# Altium PCB mV_meter.PcbDoc (part 1 of 3)
Units mil, origin at the board's own origin, x right, y up, seen from the top; angles counter-clockwise.
Board outline 5905.51 x 3937.01 mil, 2 copper layers (TOP, BOT), stack 61.811 mil thick; 225 components, 157 nets, 790 pads, 333 vias.
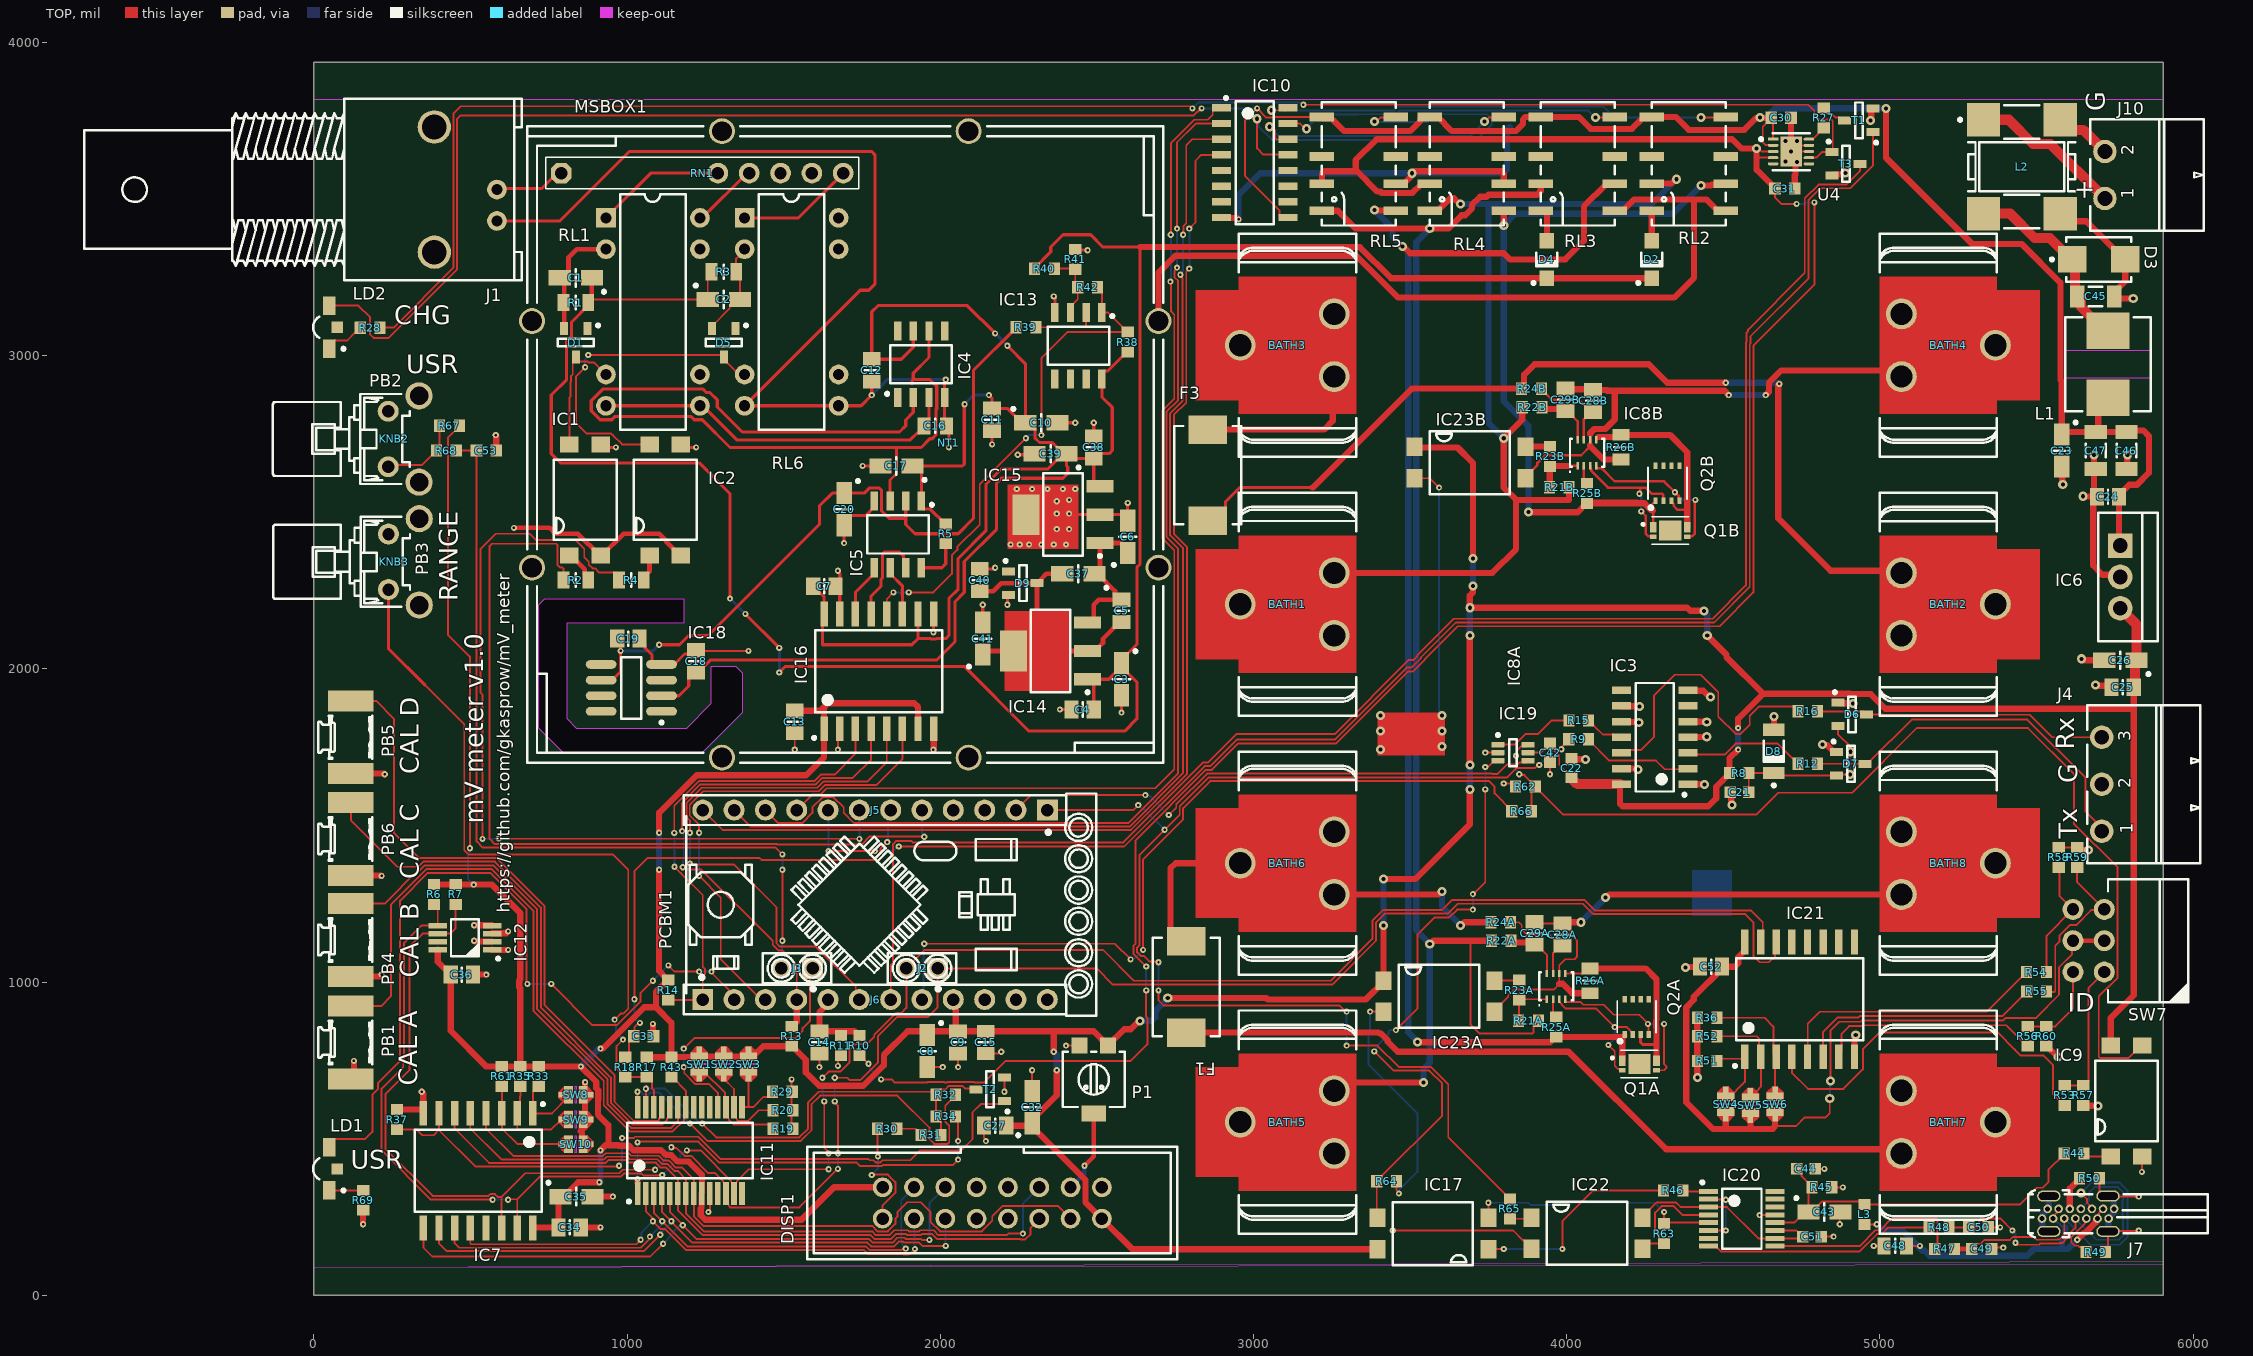
[diagram p0: TOP view]
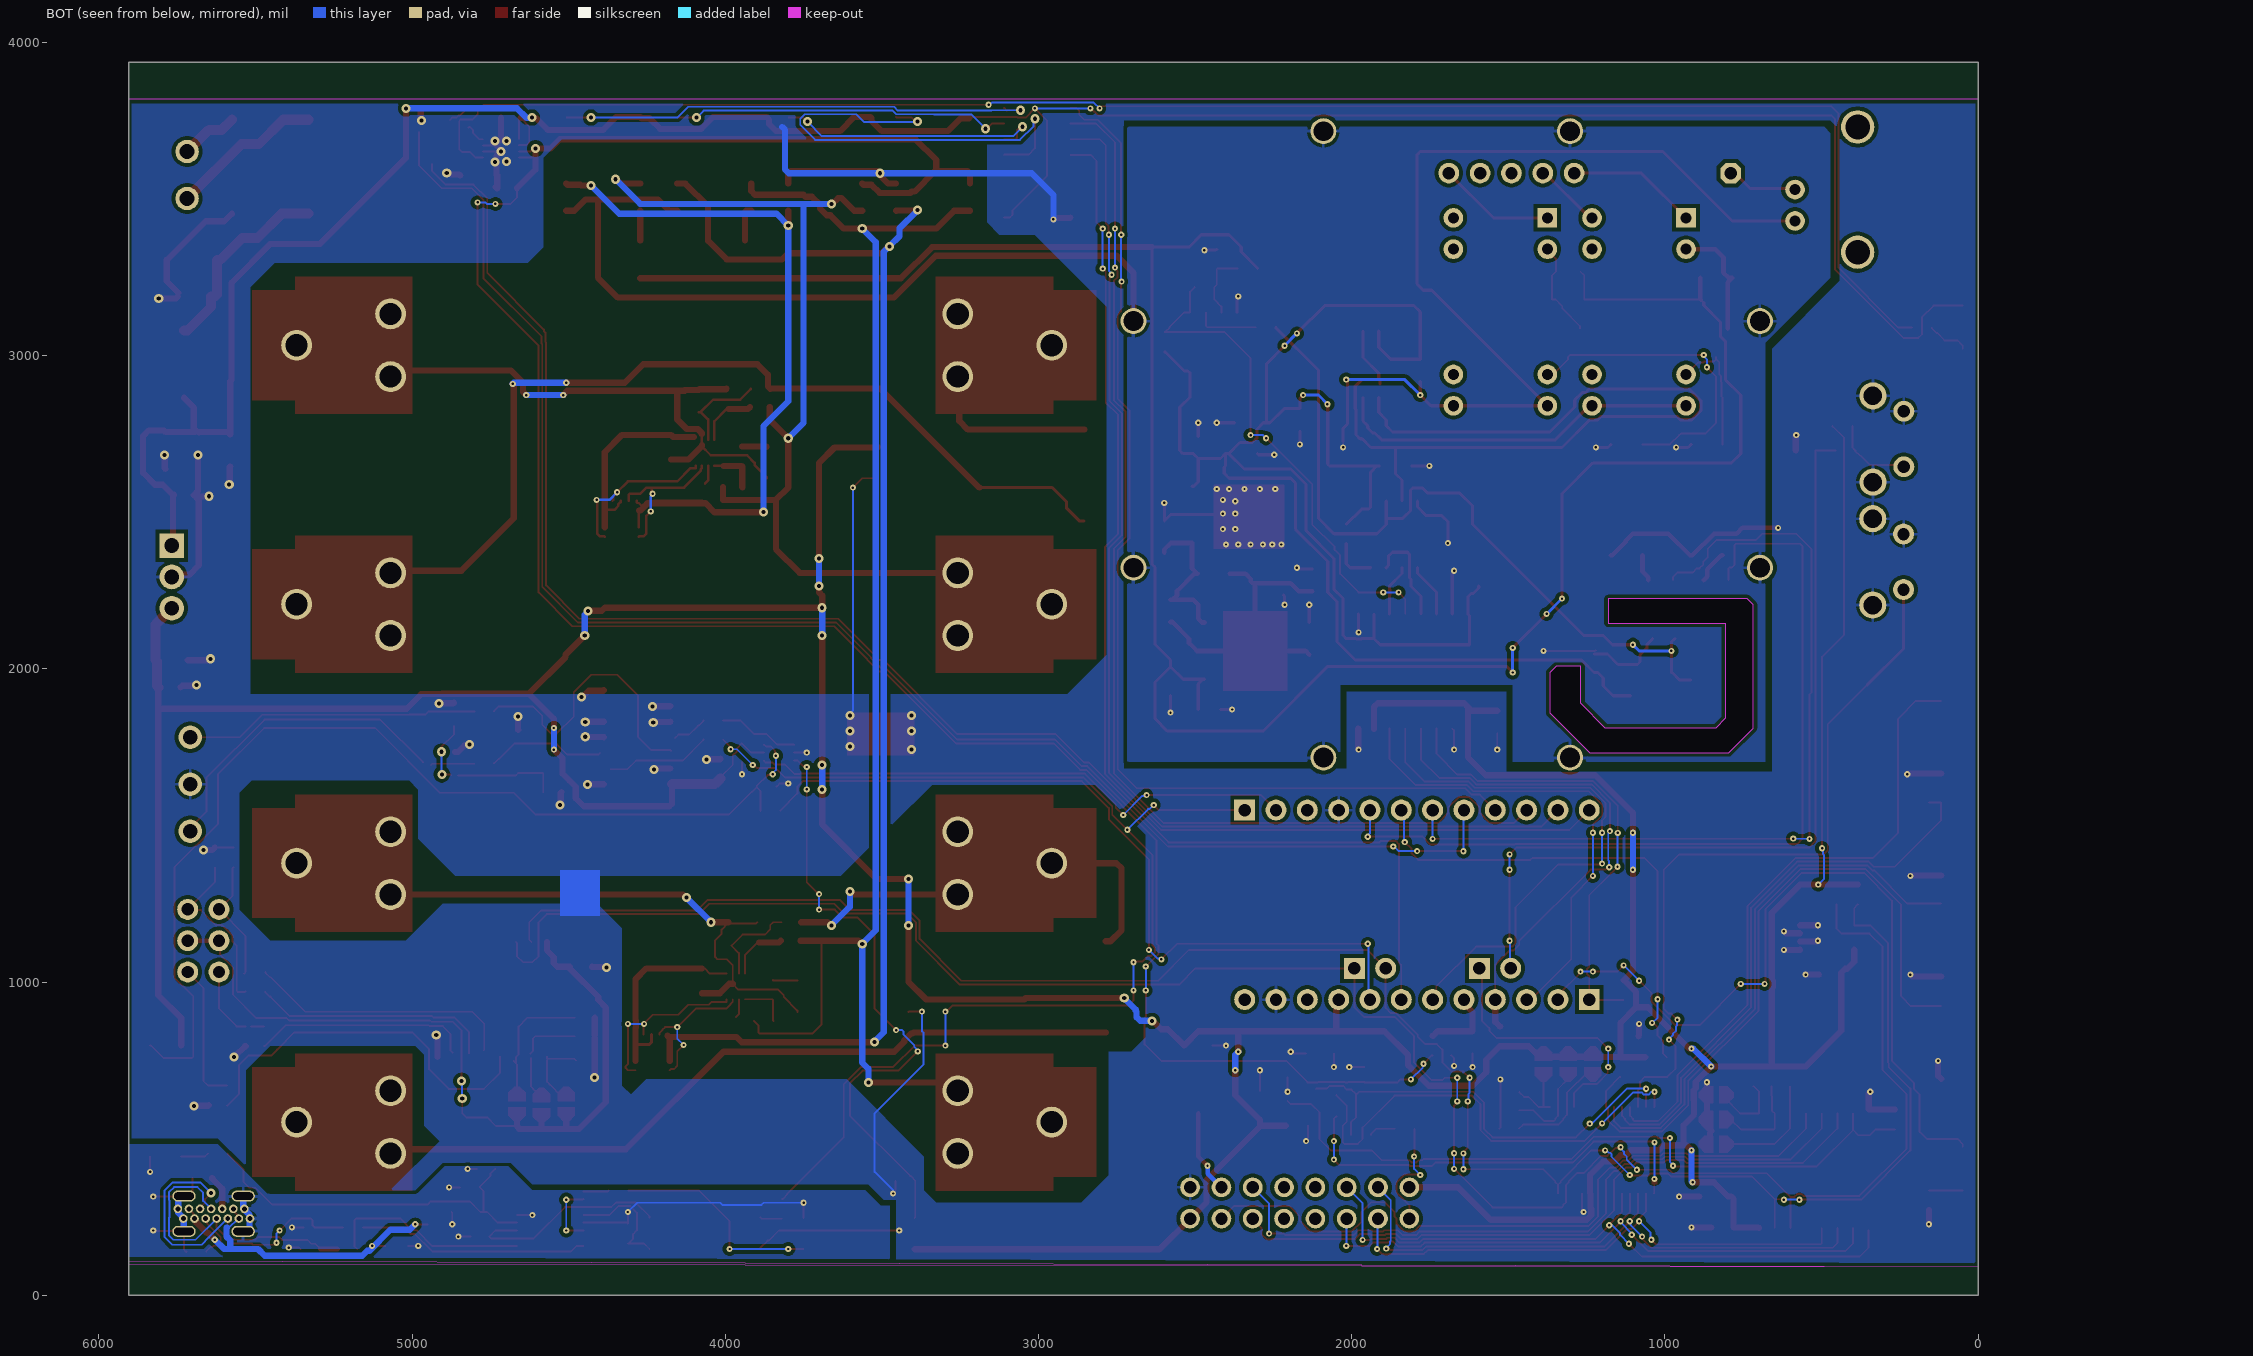
[diagram p1: BOT view, seen from below]
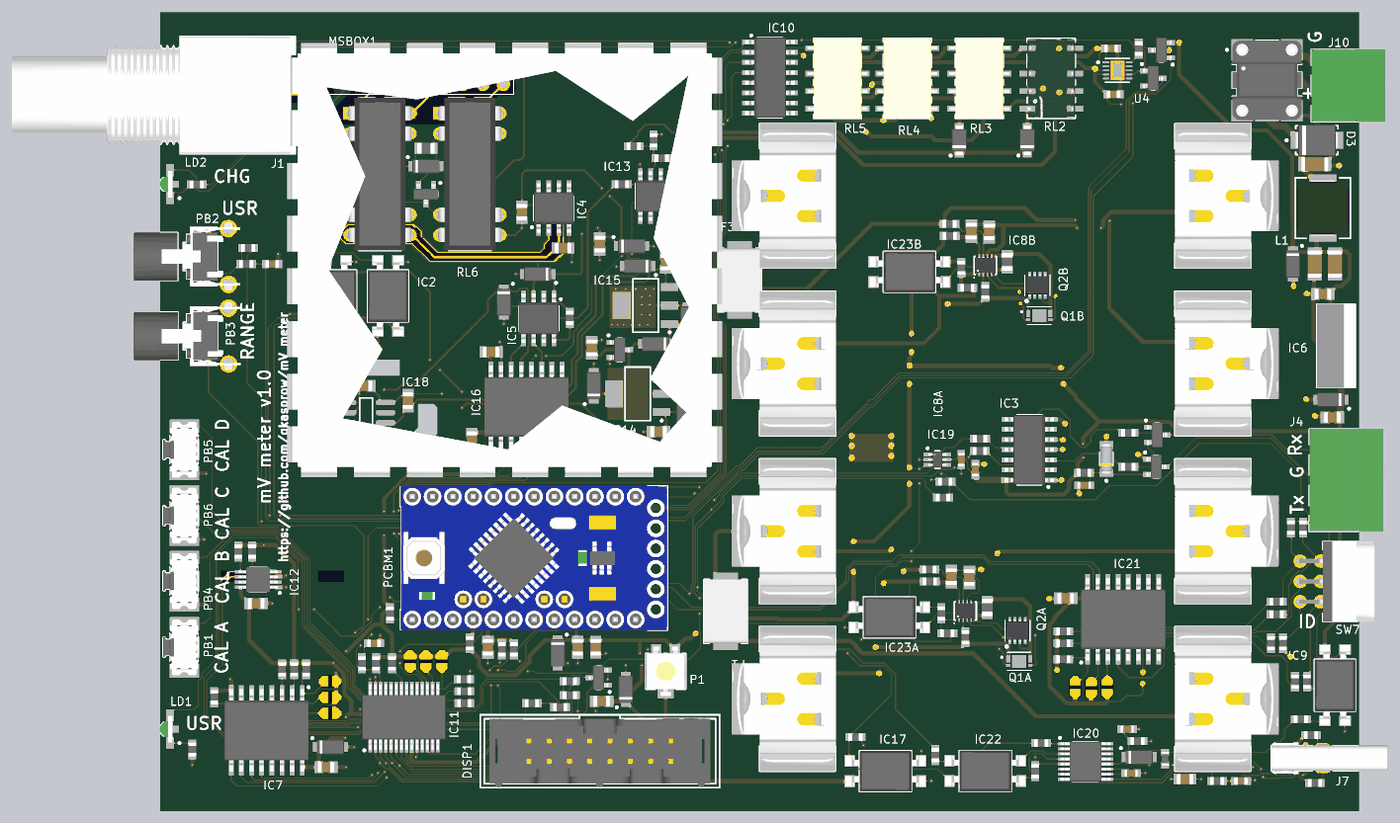
[diagram p4: 3D render of the assembled board from above, using the file's embedded part models]

## Layer stack, top to bottom
TopSolder: solder mask 0.3937, Solder Resist, Dk 3.5
TOP: signal copper 1.378
Dielectric2: core 59.0551, Core-042, Dk 4.6
BOT: signal copper 1.378
BottomSolder: solder mask 0.3937, Solder Resist, Dk 3.5

## Board outline
0,0 0,2263.78 0,3937.01 5905.51,3937.01 5905.51,0
cut-out: 737.2,2224.41 1181.1,2224.41 1181.1,2145.67 807.09,2145.67 807.09,1841.54 837.6,1811.02 1189.96,1811.02 1268.7,1889.76 1268.7,2007.87 1347.44,2007.87 1367.13,1988.19 1367.13,1859.25 1240.16,1732.28 796.26,1732.28 717.52,1811.02 717.52,2204.72

## Design rules (kind name [scope] priority, off if disabled: settings)
AcuteAngle [All] p1: minimum=6.00000000000000E+0001 checktracksonly=FALSE
Clearance Clearance_poly [(InPolygon)] p1: gap=11.81 ignorepadtopadclearanceinfootprint=FALSE
Clearance [All] p2: gap=5 ignorepadtopadclearanceinfootprint=FALSE
DiffPairsRouting [All] p1: maxlimit=20 minlimit=15 mostfreqgap=17 toplayer_minwidth=15 toplayer_maxwidth=15 toplayer_prefwidth=15 bottomlayer_minwidth=15 bottomlayer_maxwidth=15 bottomlayer_prefwidth=15 maxuncoupledlength=500
HoleSize [All] p1: absolutevalues=TRUE maxlimit=200 minlimit=1 maxpercent=80.000 minpercent=20.000
MinimumSolderMaskSliver [All] p1: minsoldermaskwidth=1.97
MinimumSolderMaskSliver SilkscreenOverComponentPads [All] p2: minsoldermaskwidth=1.97
PlaneClearance [All] p1: clearance=8
PlaneConnect PlaneConnect_pad [(InPadClass('All Pads'))] p1: planeconnectstyle=Relief reliefexpansion=20 reliefentries=4 reliefconductorwidth=10 reliefairgap=10
PlaneConnect [All] p2: planeconnectstyle=Direct reliefexpansion=20 reliefentries=4 reliefconductorwidth=10 reliefairgap=10
PolygonConnect PolygonConnect_pad [(InPadClass('All Pads'))] p1: connectstyle=Relief reliefconductorwidth=10 reliefentries=4 polygonreliefangle="90 Angle" airgapwidth=10
PolygonConnect [All] p2: connectstyle=Direct reliefconductorwidth=10 reliefentries=4 polygonreliefangle="90 Angle" airgapwidth=10
RoomDefinition U_MVM_BMS1 [InComponentClass('U_MVM_BMS1')] p1: confinementstyle=ConfineIn formatcopy=TRUE lockcomponents=FALSE outline 4438.98,1289.37 3267.72,1289.37 3267.72,639.76 4438.98,639.76
RoomDefinition U_MVM_BMS2 [InComponentClass('U_MVM_BMS2')] p2: confinementstyle=ConfineIn formatcopy=TRUE lockcomponents=FALSE outline 4537.4,2992.91 3366.14,2992.91 3366.14,2343.31 4537.4,2343.31
RoutingVias [All] p1: holewidth=7.87 width=19.68 viastyle="Through Hole" minholewidth=7.87 minwidth=19.68 maxholewidth=19.68 maxwidth=39.37
SilkToSilkClearance [All] p1: silktosilkclearance=1.97
SilkToSolderMaskClearance [IsPad] p1: minsilkscreentomaskgap=1.97 clearancetoexposedcopper=TRUE
SolderMaskExpansion [All] p1: expansion=1.97 istentingtop=FALSE
SupplyNets "Schematic Supply Nets_7" [InNet('AGND')] p1: voltage=0.000
SupplyNets "Schematic Supply Nets_6" [InNet('GND')] p2: voltage=0.000
SupplyNets "Schematic Supply Nets_5" [InNet('P3V3')] p3: voltage=0.000
SupplyNets "Schematic Supply Nets_4" [InNet('P5V0')] p4: voltage=0.000
SupplyNets "Schematic Supply Nets_3" [InNet('GNDi')] p5: voltage=0.000
SupplyNets "Schematic Supply Nets_2" [InNet('P10V0')] p6: voltage=0.000
SupplyNets "Schematic Supply Nets_1" [InNet('P5V0A')] p7: voltage=0.000
SupplyNets "Schematic Supply Nets" [InNet('GNDU')] p8: voltage=0.000
ViasUnderSMD ViasUnderSMD_allow [InComponent('IC18') or InComponent('IC10') or InComponent('IC13') or InComponent('IC14') or InComponent('IC15')] p1: allowed=TRUE
ViasUnderSMD [All] p2: allowed=FALSE
Width Width_1 [(InDifferentialPairClass('All Differential Pairs'))] p1: maxlimit=8 minlimit=8 preferedwidth=8
Width [All] p2: maxlimit=100 minlimit=5 preferedwidth=10
23 further rules are at their usual default settings.

## Classes and differential pairs
channel class MVM_BMS: U_MVM_BMS1 U_MVM_BMS2
component class U_MVM_PSU: BATH1 BATH2 BATH3 BATH4 BATH5 BATH6 BATH7 BATH8 C23 C24 C25 C26 C30 C31 C45 C46 C47 D2 D3 D4 F1 F3 IC6 IC10 J10 L1 L2 LD2 R27 R28 RL2 RL3 RL4 RL5 T1 T3 U4
component class U_MVM_BMS2: C28B C29B IC8B IC23B Q1B Q2B R21B R22B R23B R24B R25B R26B
component class U_MVM_BMS1: C28A C29A IC8A IC23A Q1A Q2A R21A R22A R23A R24A R25A R26A
component class U_MVM_AFE: C1 C2 C3 C4 C5 C6 C7 C10 C11 C12 C13 C16 C17 C18 C19 C20 C37 C38 C39 C40 C41 D1 D5 D9 IC1 IC2 IC4 IC5 IC13 IC14 IC15 IC16 IC18 J1 MSBOX1 NT1 R1 R2 R3 R4 R5 R38 R39 R40 R41 R42 RL1 RL6 RN1
component class U_DISP_KEYB: C27 C32 C33 C34 C35 C36 C52 C53 DISP1 IC7 IC11 IC12 IC21 KNB2 KNB3 P1 PB1 PB2 PB3 PB4 PB5 PB6 R17 R18 R19 R20 R29 R30 R31 R32 R33 R34 R35 R36 R37 R43 R51 R52 R53 R54 R55 R56 R57 R58 R59 R60 R61 R67 R68 SW1 SW2 SW3 SW4 SW5 SW6 SW7 SW8 SW9 SW10 T2
component class mV_meter: C8 C9 C14 C15 C21 C22 C42 C43 C44 C48 C49 C50 C51 D6 D7 D8 IC3 IC9 IC17 IC19 IC20 IC22 J2 J3 J4 J5 J6 J7 L3 LD1 PCBM1 R6 R7 R8 R9 R10 R11 R12 R13 R14 R15 R16 R44 R45 R46 R47 R48 R49 R50 R62 R63 R64 R65 R66 R69

## Components (designator, comment, footprint, x,y, rotation, side; value= is the part's Value field where it differs from the comment)
BATH1 "Value" BATH_KEYSTONE_54 3257.87,2206.3 r0 top
BATH2 "Value" BATH_KEYSTONE_54 5068.9,2206.3 r180 top
BATH3 "Value" BATH_KEYSTONE_54 3257.87,3033.07 r0 top
BATH4 "Value" BATH_KEYSTONE_54 5068.9,3033.07 r180 top
BATH5 "Value" BATH_KEYSTONE_54 3257.87,552.76 r0 top
BATH6 "Value" BATH_KEYSTONE_54 3257.87,1379.53 r0 top
BATH7 "Value" BATH_KEYSTONE_54 5068.9,552.76 r180 top locked
BATH8 "Value" BATH_KEYSTONE_54 5068.9,1379.53 r180 top locked
C1 "10uF" CAPMP3216X180N 836.61,3248.03 r180 top
C2 "10uF" CAPMP3216X180N 1309.06,3179.13 r0 top
C3 "10uF" CAPMP3216X180N 2578.74,1966.54 r270 top
C4 "100nF" CAPC2012X88N 2454.72,1870.08 r0 top
C5 "100nF" CAPC2012X88N 2578.74,2185.04 r90 top
C6 "10uF" CAPMP3216X180N 2598.43,2421.26 r90 top
C7 "100nF" CAPC2012X88N 1629.92,2263.78 r180 top
C8 "4.7uF" CAPMP3216X180N 1958.66,779.53 r270 top
C9 "100nF" CAPC2012X88N 2057.09,807.09 r90 top
C10 "10uF" CAPMP3216X180N 2322.83,2785.43 r0 top
C11 "100nF" CAPC2012X88N 2165.35,2795.28 r90 top
C12 "100nF" CAPC2012X88N 1781.5,2952.76 r90 top
C13 "100nF" CAPC2012X88N 1535.43,1830.71 r90 top
C14 "100nF" CAPC2012X88N 1614.17,807.09 r90 top
C15 "10nF" CAPC2012X135N 2145.67,807.09 r90 top
C16 "220pF" CAPC2012X135N 1984.25,2775.59 r180 top
C17 "4.7uF" CAPMP3216X180N 1860.24,2647.64 r180 top
C18 "100nF" CAPC2012X88N 1220.47,2023.62 r270 top
C19 "100nF" CAPC2012X88N 1003.94,2096.46 r180 top
C20 "2.2uF" CAPMP3216X180N 1692.91,2509.84 r270 top
C21 "2.2uF" CAPC1608X90N 4552.27,1606.16 r0 top
C22 "100nF" CAPC1608X90N 4015.75,1683.07 r270 top
C23 "10uF" CAPMP3216X180N 5580.71,2696.85 r270 top
C24 "100nF" CAPC2012X88N 5728.35,2549.21 r0 top
C25 "100nF" CAPC2012X88N 5775,1941 r0 top
C26 "10uF" CAPMP3216X180N 5767.72,2027.56 r180 top
C27 "100nF" CAPC2012X88N 2175.2,541.34 r0 top
C28A "100nF" CAPC2012X88N 3986.22,1151.57 r270 top (schematic designator C28)
C28B "100nF" CAPC2012X88N 4084.65,2855.12 r270 top (schematic designator C28)
C29A "100nF" CAPC2012X88N 3897.64,1155.51 r270 top (schematic designator C29)
C29B "100nF" CAPC2012X88N 3996.06,2859.06 r270 top (schematic designator C29)
C30 "1uF" CAPC1608X87N 4685.04,3759.84 r180 top
C31 "1uF" CAPC1608X87N 4696.85,3533.46 r180 top
C32 "10uF" CAPMP3216X180N 2293.31,600.39 r90 top
C33 "10nF" CAPC1608X87N 1053.15,826.77 r180 top
C34 "100nF" CAPC2012X88N 816.93,216.54 r180 top
C35 "10uF" CAPMP3216X180N 838.58,314.96 r0 top
C36 "100nF" CAPC2012X88N 472.44,1023.62 r180 top
C37 "10uF" CAPMP3216X180N 2440.94,2303.15 r180 top
C38 "100nF" CAPC2012X88N 2490.16,2706.69 r270 top
C39 "10uF" CAPMP3216X180N 2352.36,2687.01 r180 top
C40 "100nF" CAPC2012X88N 2125.98,2283.46 r270 top
C41 "10uF" CAPMP3216X180N 2135.83,2096.46 r90 top
C42 "100nF" CAPC1608X90N 3946.85,1732.28 r90 top
C43 "4.7uF" CAPMP3216X180N 4822.83,265.75 r0 top
C44 "100nF" CAPC1608X90N 4763.78,403.54 r180 top
C45 "22uF" CAPC3216X180N 5688.98,3188.98 r180 top
C46 "22uF" CAPC3216X180N 5787.4,2696.85 r90 top
C47 "22uF" CAPC3216X180N 5688.98,2696.85 r90 top
C48 "10nF" CAPC2012X135N 5049.21,157.48 r0 top
C49 "47pF" CAPC1608X87N 5324.8,147.64 r0 top
C50 "47pF" CAPC1608X87N 5314.96,216.54 r0 top
C51 "100nF" CAPC1608X90N 4783.46,187.01 r180 top
C52 "100nF" CAPC2012X88N 4461,1049 r0 top
C53 "10nF" CAPC1608X87N 551.18,2696.85 r180 top
D1 "BAV99" SOT95P240X110-3N 836.61,3041.34 r270 top
D2 "SS24FL" SODFL3617X108N 4271.65,3307.09 r90 top
D3 "SMBJ12A" DIOM5336X265N 5698.82,3307.09 r0 top
D4 "SS24FL" SODFL3617X108N 3937.01,3307.09 r90 top
D5 "BAV99" SOT95P240X110-3N 1309.06,3041.34 r270 top
D6 "BAV99" SOT95P240X110-3N 4911.42,1854.33 r0 top
D7 "BAV99" SOT95P240X110-3N 4907.48,1696.85 r0 top
D8 "BZV55-B3V3" DIOMELF3515N 4661.42,1736.22 r90 top
D9 "BAV99" SOT95P240X110-3N 2263.78,2273.62 r0 top
DISP1 "LCD_HD44780_LED" IDC_16_male 2166.14,294.49 r180 top
F1 "3A-6V" FUSR_BOURNS_MF-SM300 2785.43,984.25 r90 top
F3 "3A-6V" FUSR_BOURNS_MF-SM300 2854.33,2618.11 r270 top
IC1 "FOD817DSD" FAIRCHILD_FOD817DSD 866.14,2539.37 r90 top
IC2 "FOD817DSD" FAIRCHILD_FOD817DSD 1122.05,2539.37 r90 top
IC3 "SN74HC125D" SOIC127P600X175-14N 4281.5,1781.5 r180 top
IC4 "AD8628ARZ" SOIC127P600X175-8N 1938.98,2972.44 r90 top
IC5 "LTC2400IS8" SOIC127P600X175-8N 1864.76,2429.13 r270 top
IC6 "MC78M05CTG" TO-220-V 5767.72,2293.31 r270 top
IC7 "PCF8574DW" SOIC127P1030X265-16N 524.61,397.64 r270 top
IC8A "S-82A2BAA-I8T1U" SON50P200X48-8N 3966.54,986.02 r90 top (schematic designator IC8)
IC8B "S-82A2BAA-I8T1U" SON50P200X48-8N 4064.96,2689.57 r90 top (schematic designator IC8)
IC9 "FOD817DSD" FAIRCHILD_FOD817DSD 5787.4,620.08 r90 top
IC10 "ULN2003AD" SOIC127P600X175-16N 3003.94,3615.94 r0 top
IC11 "MCP23017-E/SS" SOP65P780X200-28N 1200.79,462.6 r90 top
IC12 "24LC64-I/MS" SOP65P490X110-8N 482.28,1141.73 r180 top
IC13 "LMV393M/NOPB" SOIC127P600X175-8N 2440.94,3031.5 r270 top
IC14 "MCP1703-5002E/DB" SOT-223-DB3_N 2352.36,2057.09 r180 top
IC15 "MCP1703-5002E/DB" SOT-223-DB3_N 2391.73,2492.13 r180 top
IC16 "ISO7242CDW" SOIC127P1030X265-16N 1804.13,1992.13 r90 top
IC17 "FOD817DSD" FAIRCHILD_FOD817DSD 3572.83,196.85 r180 top
IC18 "ADR4540BRZ" ADI-R-8_M 1013.78,1938.98 r180 top
IC19 "SN74AUP1G97DCKR" DCK0006A_M 3828.74,1732.28 r0 top
IC20 "FT230XS-R" SOP63P600X175-16N 4559.06,244.19 r0 top
IC21 "PCF8574DW" SOIC127P1030X265-16N 4744.09,944.88 r90 top
IC22 "FOD817DSD" FAIRCHILD_FOD817DSD 4064.96,197.64 r0 top
IC23A "FOD817DSD" FAIRCHILD_FOD817DSD 3592.52,954.72 r0 top (schematic designator IC23)
IC23B "FOD817DSD" FAIRCHILD_FOD817DSD 3690.94,2658.27 r0 top (schematic designator IC23)
J1 "BNC" TYCO_1-1337542-0 369,3530 r180 top
J2 "Socket 2" SAMTEC_SSW-102-02-G-S 1941.82,1043.72 r180 top
J3 "Socket 2" SAMTEC_SSW-102-02-G-S 1542.68,1043.72 r180 top
J4 "" PHOENIX_1803280 5708.66,1631.5 r90 top
J5 "Socket 12" SAMTEC_SSW-112-01-G-S 1791.82,1548.87 r180 top
J6 "Socket 12" SAMTEC_SSW-112-01-G-S 1791.82,943.87 r0 top
J7 "USB 2.0" KYCON_KUSBX-SL-CS1N14-B 5641.73,260.24 r90 top
J10 "" PHOENIX_1803277 5718.5,3576.57 r90 top
KNB2 "Knob" KNB_OMRON_B32-2010_H 256.32,2733.74 r270 top
KNB3 "Knob" KNB_OMRON_B32-2010_H 257.01,2341.52 r270 top
L1 "47uH" IND_WURTH_WE-LHMI_7050 5728.35,2972.44 r270 top
L2 "1mH" IND_BOURNS_SRF1006 5453,3603 r270 top
L3 "330R@100MHz" INDC1608X75N 4950.79,257.87 r270 top
LD1 "Green" LED_AVAGO_HSME-C110 49.21,403.54 r90 top
LD2 "Green" LED_AVAGO_HSME-C110 49.21,3090.55 r90 top
MSBOX1 "Metal Screening Box 8 Pins" MSBOX_PERANCEA_PFL6T 1696.85,2716.54 r0 top locked
NT1 "Net Tie" "Net Tie" 2027.56,2726.38 r270 top net-tie
P1 "10k" TRIM_BOURNS_3314G-1 2490.16,688.98 r180 top
PB1 "Push Button" PB_C&K_KSS221GLFS 117.91,807.29 r90 top
PB2 "Push Button" PB_OMRON_B3F-3150 276,2733.74 r270 top
PB3 "Push Button" PB_OMRON_B3F-3150 276.69,2341.52 r270 top
PB4 "Push Button" PB_C&K_KSS221GLFS 117.7,1134.27 r90 top
PB5 "Push Button" PB_C&K_KSS221GLFS 117.91,1781.7 r90 top
PB6 "Push Button" PB_C&K_KSS221GLFS 117.91,1456.9 r90 top
PCBM1 "ARDUINO PRO MINI" "PCBM_ARDUINO PRO MINI" 1791.82,1246.87 r180 top
Q1A "DMN2008LFU-7" TRANS_DMN2008LFU-7 4232.28,738.19 r0 top (schematic designator Q1)
Q1B "DMN2008LFU-7" TRANS_DMN2008LFU-7 4330.71,2441.73 r0 top (schematic designator Q1)
Q2A "ECH8697R-TL-W" SOT-28FL-8_2P9X2P3_ONS-M 4223.43,888.88 r90 top (schematic designator Q2)
Q2B "ECH8697R-TL-W" SOT-28FL-8_2P9X2P3_ONS-M 4321.85,2592.43 r90 top (schematic designator Q2)
R1 "470" RESC2012X60N 836.61,3169.29 r0 top
R2 "470" RESC2012X60N 836.61,2283.46 r0 top
R3 "470" RESC2012X60N 1309.06,3267.72 r180 top
R4 "470" RESC2012X60N 1013.78,2283.46 r0 top
R5 "0" RESC1608X55N 2017.72,2431.1 r90 top
R6 "10k" RESC1608X55N 383.86,1279.53 r90 top
R7 "10k" RESC1608X55N 452.76,1279.53 r90 top
R8 "470" RESC1608X55N 4551.18,1667.32 r180 top
R9 "470" RESC1608X55N 4038.27,1775.16 r0 top
R10 "20k" RESC1608X55N 1742.13,797.24 r270 top
R11 "10k" RESC1608X55N 1683.07,797.24 r90 top
R12 "330" RESC1608X55N 4769.68,1696.85 r0 top
R13 "10K" RESC1608X55N 1525.59,826.77 r270 top value=10k
R14 "10k" RESC1608X55N 1131.89,974.41 r90 top
R15 "470" RESC1608X55N 4038.76,1835.16 r180 top
R16 "330" RESC1608X55N 4769.68,1864.17 r0 top
R17 "1k" RESC1608X55N 1062.99,728.35 r90 top
R18 "10k" RESC1608X55N 994.09,728.35 r270 top
R19 "10k" RESC1608X55N 1498.03,531.5 r180 top
R20 "10k" RESC1608X55N 1498.03,590.55 r180 top
R21A "100k" RESC1608X55N 3877.95,875.98 r0 top (schematic designator R21)
R21B "100k" RESC1608X55N 3976.38,2579.53 r0 top (schematic designator R21)
R22A "100" RESC1608X55N 3791.34,1131.89 r0 top (schematic designator R22)
R22B "100" RESC1608X55N 3889.76,2835.43 r0 top (schematic designator R22)
R23A "1k" RESC1608X55N 3848.43,974.41 r90 top (schematic designator R23)
R23B "1k" RESC1608X55N 3946.85,2677.95 r90 top (schematic designator R23)
R24A "100" RESC1608X55N 3789.37,1190.94 r0 top (schematic designator R24)
R24B "100" RESC1608X55N 3887.8,2894.49 r0 top (schematic designator R24)
R25A "1k" RESC1608X55N 3966.54,856.3 r90 top (schematic designator R25)
R25B "1k" RESC1608X55N 4064.96,2559.84 r90 top (schematic designator R25)
R26A "0R05" RESC2012X60N 4074.8,1003.94 r90 top (schematic designator R26)
R26B "0R05" RESC2012X60N 4173.23,2707.48 r90 top (schematic designator R26)
R27 "1k" RESC1608X55N 4821,3759 r90 top
R28 "1k" RESC1608X55N 179.61,3089.31 r180 top
R29 "10k" RESC1608X55N 1496.06,649.61 r180 top
R30 "100" RESC1608X55N 1830.71,531.5 r180 top
R31 "100" RESC1608X55N 1970.47,511.81 r180 top
R32 "470" RESC1608X55N 2017.72,639.76 r180 top
R33 "10k" RESC1608X55N 718.5,698.82 r270 top
R34 "470" RESC1608X55N 2017.72,570.87 r180 top
R35 "10k" RESC1608X55N 659.45,698.82 r270 top